# Altium PCB hand_fpc.PcbDoc (part 1 of 2)
Units mm, origin at the board's own origin, x right, y up, seen from the top; angles counter-clockwise.
Board outline 66 x 117.49 mm, 2 copper layers (Top Layer, Bottom Layer); 51 components, 53 nets, 256 pads, 358 vias.
Unrouted connection lines stored in the file: 50.
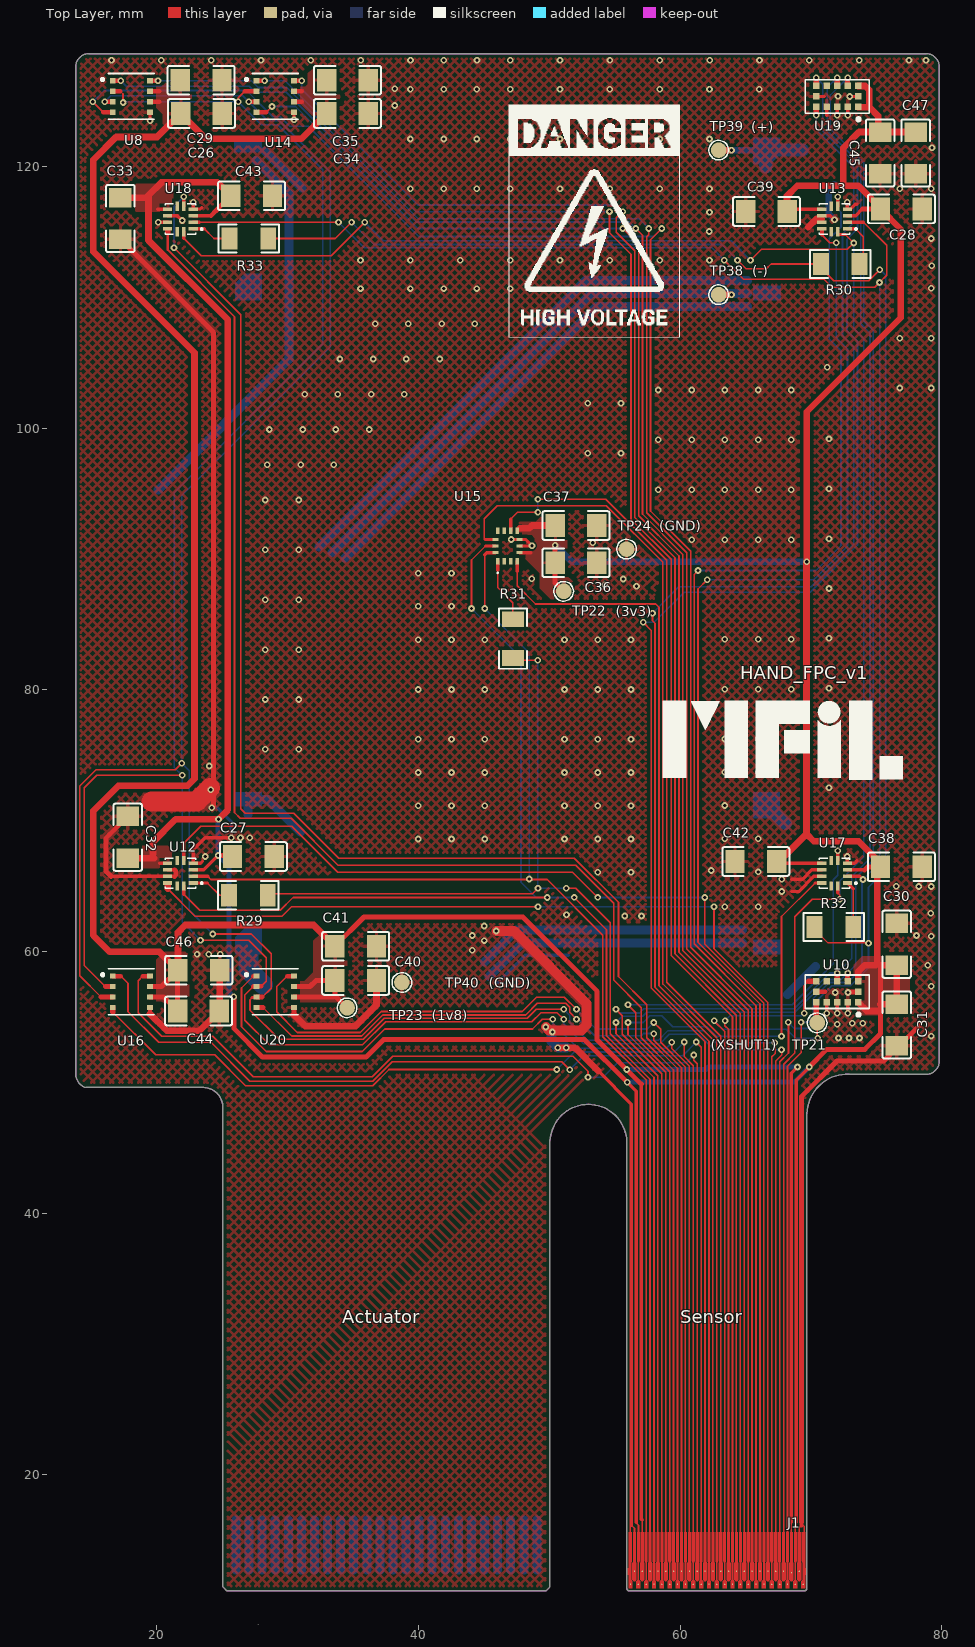
[diagram p0: Top Layer view]
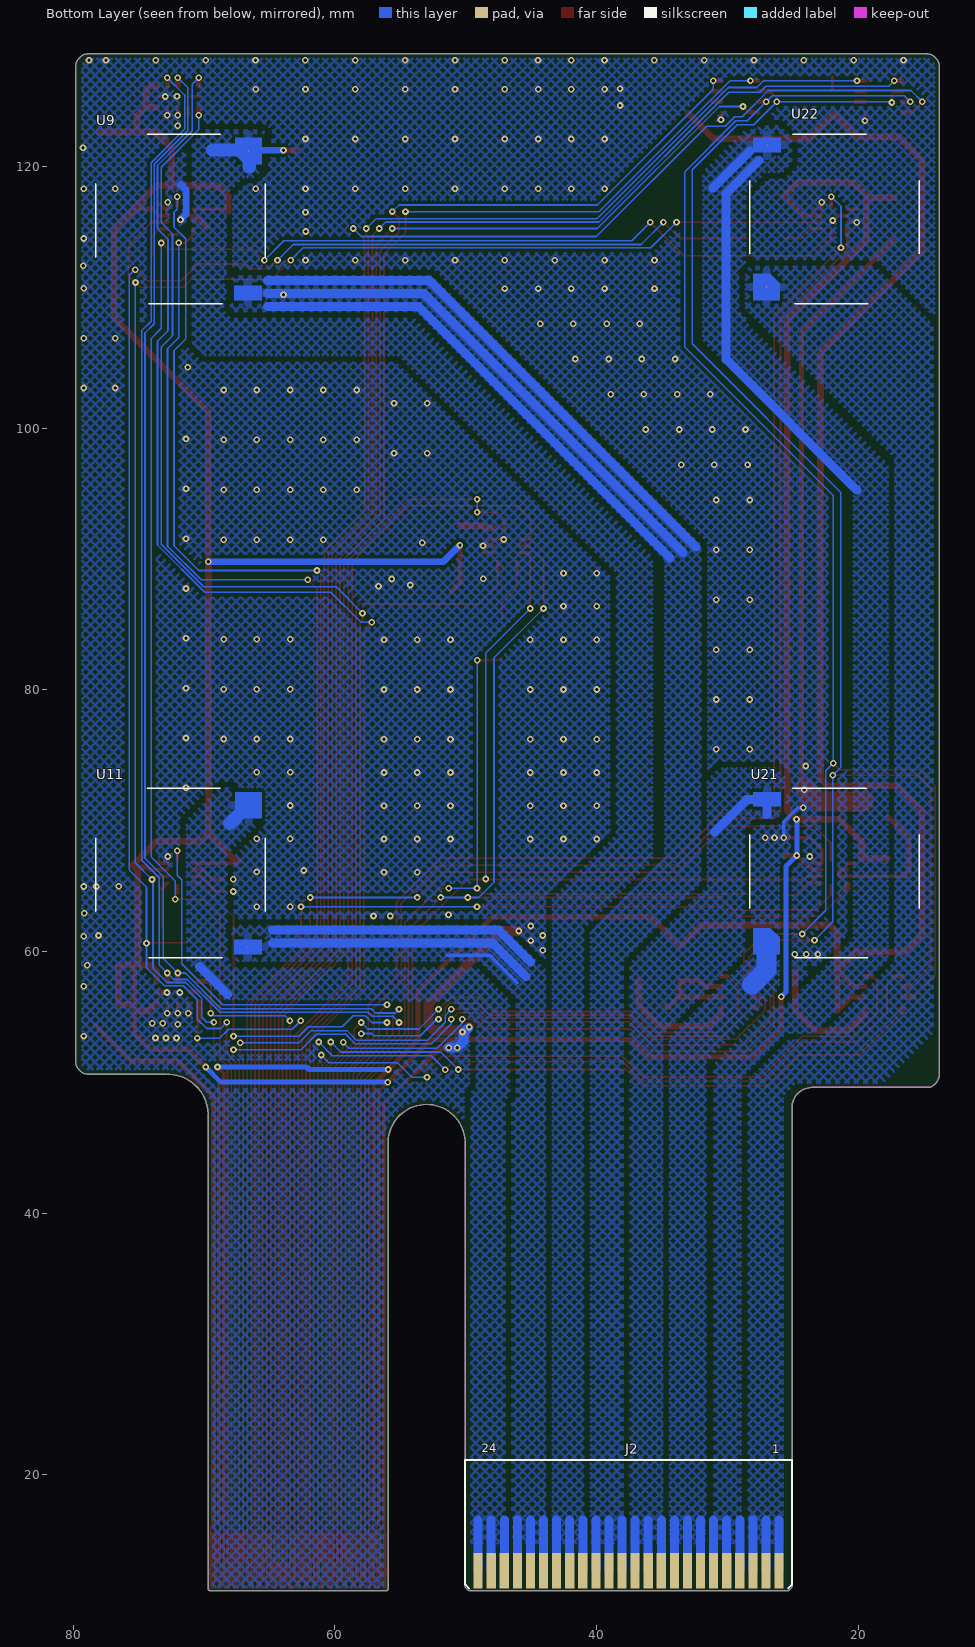
[diagram p1: Bottom Layer view, seen from below]
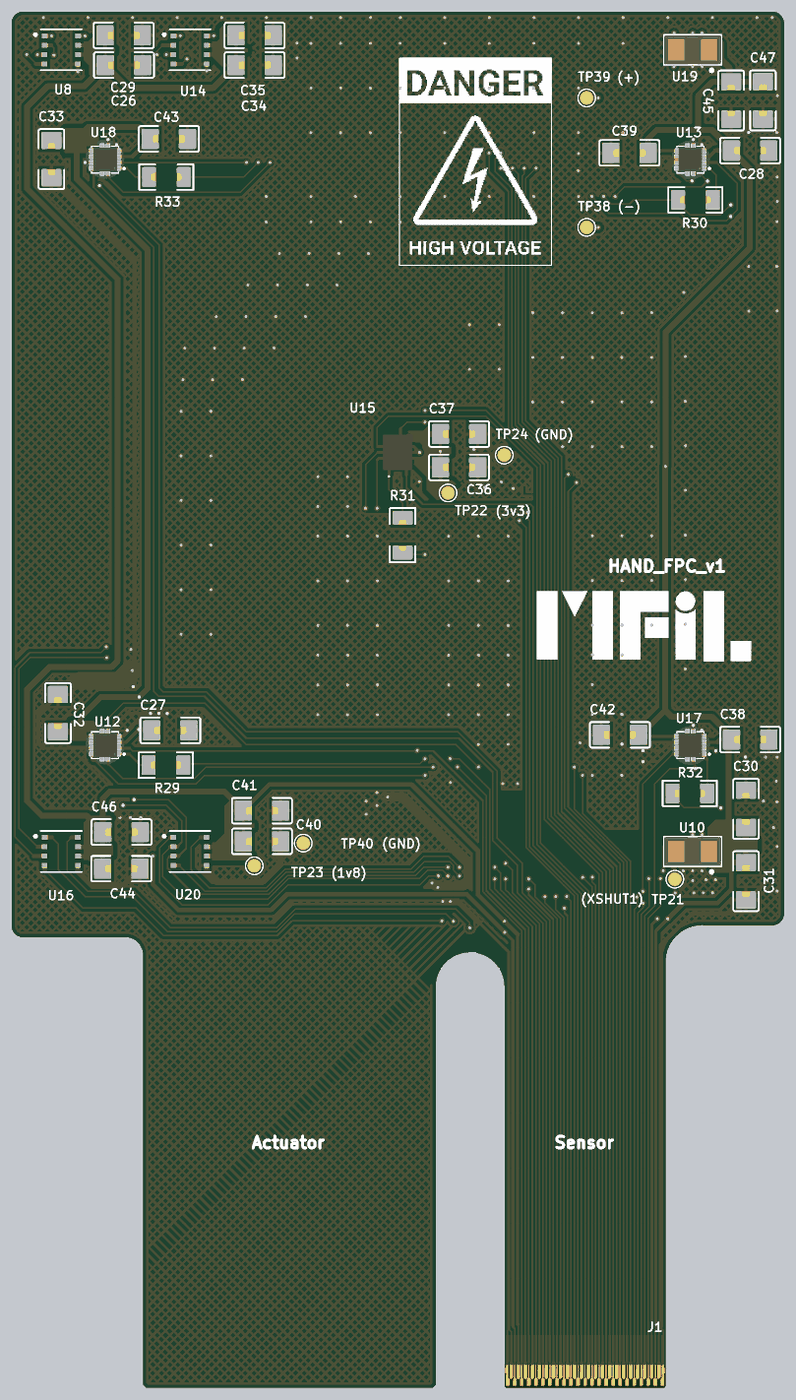
[diagram p3: 3D render of the assembled board from above, using the file's embedded part models]
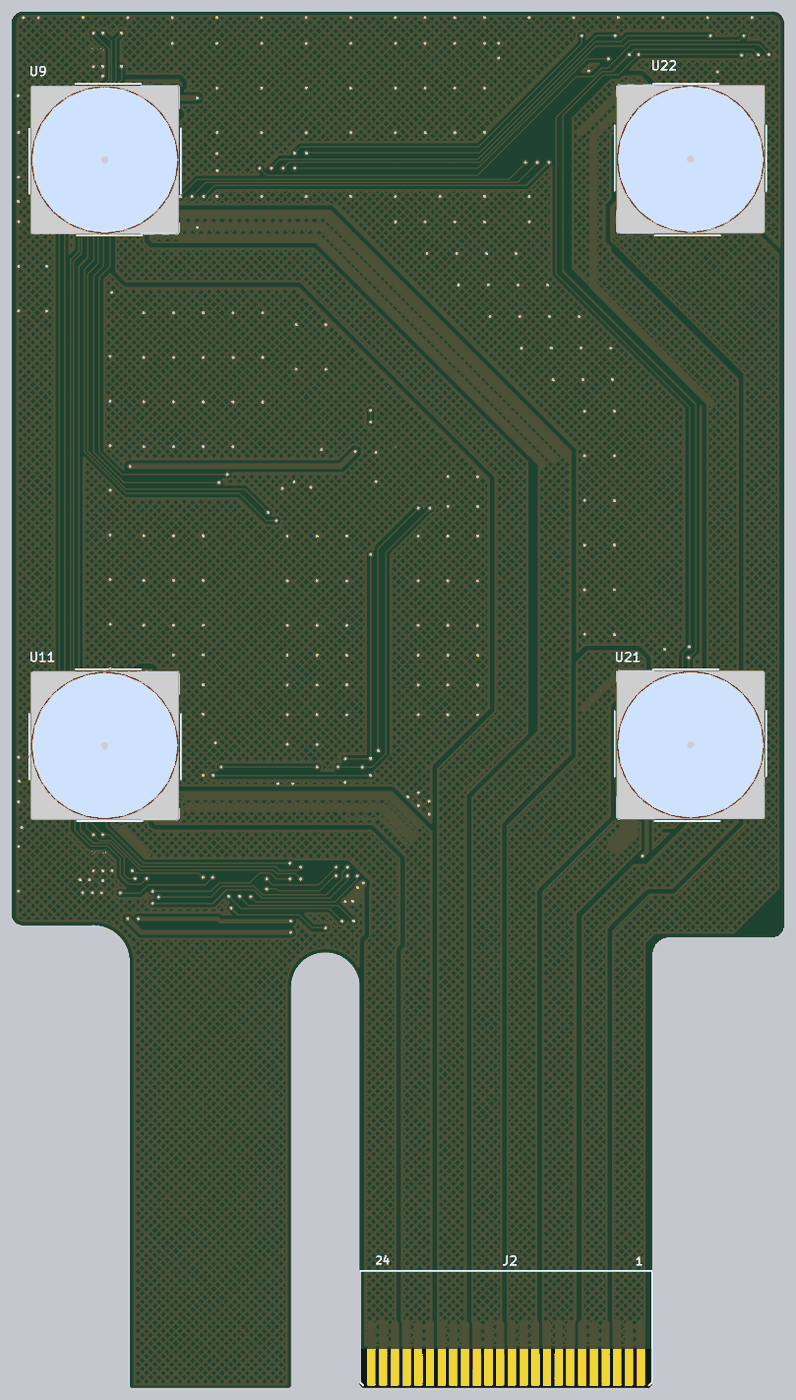
[diagram p4: 3D render of the assembled board from below, using the file's embedded part models]

## Layer stack, top to bottom
Top Solder: solder mask 0.0102, Solder Resist, Dk 3.5
Top Layer: signal copper 0.0356
Dielectric 1: dielectric 0.32, FR-4, Dk 4.8
Bottom Layer: signal copper 0.0356
Bottom Solder: solder mask 0.0102, Solder Resist, Dk 3.5

## Board outline
25.352,11.125 49.759,11.125 50.052,11.419 50.052,45.491 50.053,45.491 cw(c52.99,45.371) 55.927,45.465 55.928,45.465 55.928,11.326 ccw(c56.128,11.326) 56.128,11.126 56.128,11.125 69.488,11.125 69.488,11.126 ccw(c69.488,11.326) 69.688,11.326 69.688,47.6 cw(c72.813,47.497) 72.916,50.622 74.682,50.622 78.807,50.617 ccw(c78.807,51.617) 79.807,51.617 79.807,127.617 ccw(c78.807,127.617) 78.807,128.617 14.807,128.617 ccw(c14.807,127.617) 13.807,127.617 13.807,50.617 ccw(c14.865,50.622) 14.575,49.605 23.536,49.605 23.536,49.606 cw(c23.536,48.091) 25.052,48.091 25.052,48.081 25.052,11.426

## Design rules (kind name [scope] priority, off if disabled: settings)
Clearance room [WithinRoom('hand_fpc')] p1: gap=0.033 ignorepadtopadclearanceinfootprint=TRUE
Clearance [All] p2: gap=0.102 ignorepadtopadclearanceinfootprint=TRUE except(0.203: Track-Fill SMDPad-Fill Fill-Fill; 0.254: Arc-Fill Arc-Poly Arc-Region Track-Poly Track-Region SMDPad-Poly SMDPad-Region THPad-Fill THPad-Poly THPad-Region Fill-Poly Fill-Region Poly-Region Region-Region; 0.381: Poly-Poly)
PolygonConnect PolygonConnect_Motor [InComponentClass('Motor')] p1: thpad.connectstyle=Relief thpad.reliefconductorwidth=0.254 thpad.reliefentries=4 thpad.polygonreliefangle="90 Angle" thpad.airgapwidth=0.254 smdpad.connectstyle=Relief smdpad.reliefconductorwidth=0.635 smdpad.reliefentries=4 smdpad.polygonreliefangle="90 Angle" smdpad.airgapwidth=0.254 via.connectstyle=Direct via.reliefconductorwidth=0.254 via.reliefentries=4 via.polygonreliefangle="90 Angle" via.airgapwidth=0.254
PolygonConnect [All] p2: thpad.connectstyle=Relief thpad.reliefconductorwidth=0.254 thpad.reliefentries=4 thpad.polygonreliefangle="90 Angle" thpad.airgapwidth=0.254 smdpad.connectstyle=Relief smdpad.reliefconductorwidth=0.254 smdpad.reliefentries=4 smdpad.polygonreliefangle="90 Angle" smdpad.airgapwidth=0.254 via.connectstyle=Direct via.reliefconductorwidth=0.254 via.reliefentries=4 via.polygonreliefangle="90 Angle" via.airgapwidth=0.254
RoomDefinition hand_fpc [InComponentClass('hand_fpc')] p1: confinementstyle=ConfineIn formatcopy=TRUE lockcomponents=FALSE outline 55.448,16.383 70.282,16.383 70.282,10.922 55.448,10.922
RoutingVias [All] p1: holewidth=0.254 width=0.508 viastyle="Through Hole" minholewidth=0.254 minwidth=0.508 maxholewidth=0.254 maxwidth=0.508
SolderMaskExpansion [All] p1: expansion=0.064 istentingtop=FALSE
UnRoutedNet [All] p1: checkbadconnections=TRUE
Width [All] p1: maxlimit=2.54 minlimit=0.127 preferedwidth=0.254
29 further rules are at their usual default settings.

## Classes and differential pairs
component class Motor: U9 U11 U21 U22

## Components (designator, comment, footprint, x,y, rotation, side; value= is the part's Value field where it differs from the comment)
C26 "100nF" C1206_FPC 23.419,124.054 r0 top
C27 "100nF" C1206_FPC 27.381,67.259 r180 top
C28 "100nF" C1206_FPC 76.911,116.755 r180 top
C29 "100nF" C1206_FPC 23.393,126.594 r0 top
C30 "100nF" C1206_FPC 76.556,60.554 r270 top
C31 "4.7uF" C1206_FPC 76.556,54.381 r90 top
C32 "100nF" C1206_FPC 17.78,68.732 r270 top
C33 "100nF" C1206_FPC 17.221,116.027 r90 top
C34 "100nF" C1206_FPC 34.576,124.054 r0 top
C35 "100nF" C1206_FPC 34.576,126.594 r0 top
C36 "100nF" C1206_FPC 52.045,89.713 r180 top
C37 "100nF" C1206_FPC 52.045,92.558 r0 top
C38 "100nF" C1206_FPC 76.911,66.472 r180 top
C39 "100nF" C1206_FPC 66.599,116.561 r0 top
C40 "100nF" C1206_FPC 35.204,57.785 r0 top
C41 "100nF" C1206_FPC 35.204,60.401 r0 top
C42 "100nF" C1206_FPC 65.786,66.878 r0 top
C43 "100nF" C1206_FPC 27.254,117.754 r180 top
C44 "100nF" C1206_FPC 23.19,55.448 r0 top
C45 "100nF" C1206_FPC 75.286,121.031 r90 top
C46 "100nF" C1206_FPC 23.21,58.574 r0 top
C47 "4.7uF" C1206_FPC 78.003,121.039 r90 top
J1 "FH35C-45S-0.3SHW-GF" FH35C-45S-0.3SHW-GF-REVERSE 62.808,11.326 r180 top
J2 "522072460_GF" 522072460-GF-BACK 37.552,12.675 r0 top
R29 "22Ω" R1206_FPC 27,64.292 r180 top
R30 "22Ω" R1206_FPC 72.238,112.547 r0 top
R31 "22Ω" R1206_FPC 47.219,83.922 r90 top
R32 "22Ω" R1206_FPC 71.755,61.874 r0 top
R33 "22Ω" R1206_FPC 27.038,114.497 r180 top
TP21 "Test point" Test_Point_FPC 70.479,54.55 r0 top
TP22 "Test point" Test_Point_FPC 51.105,87.528 r180 top
TP23 "Test point" Test_Point_FPC 34.551,55.693 r0 top
TP24 "Test point" Test_Point_FPC 55.905,90.754 r180 top
TP38 "Test point" Test_Point_FPC 62.948,110.201 r270 top
TP39 "Test point" Test_Point_FPC 62.948,121.25 r270 top
TP40 "Test point" Test_Point_FPC 38.735,57.633 r270 top
U8 "CH-101" XDCR_CH-101 18.059,125.354 r0 top locked
U9 "B54102H1020A001" B54102H1020A001 71.808,115.989 r90 bottom locked
U10 "VL53L1CXV0FY/1" SENSOR_VL53L1CXV0FY/1 72.003,56.921 r270 top locked
U11 "B54102H1020A001" B54102H1020A001 71.808,65.989 r90 bottom locked
U12 "KX132-1211" LGA-12_L2.0-W2.0-P0.50-TL 21.808,65.989 r180 top locked
U13 "KX132-1211" LGA-12_L2.0-W2.0-P0.50-TL 71.808,115.989 r180 top locked
U14 "CH-101" XDCR_CH-101 29.059,125.354 r0 top locked
U15 "BMI323" BMI323 46.808,90.989 r90 top
U16 "CH-101" XDCR_CH-101 18.059,56.921 r0 top locked
U17 "KX132-1211" LGA-12_L2.0-W2.0-P0.50-TL 71.808,65.989 r180 top locked
U18 "KX132-1211" LGA-12_L2.0-W2.0-P0.50-TL 21.808,115.989 r180 top locked
U19 "VL53L1CXV0FY/1" SENSOR_VL53L1CXV0FY/1 72.003,125.354 r270 top locked
U20 "CH-101" XDCR_CH-101 29.059,56.921 r0 top
U21 "B54102H1020A001" B54102H1020A001 21.808,65.989 r270 bottom locked
U22 "B54102H1020A001" B54102H1020A001 21.808,115.989 r270 bottom locked

## Footprints (in the part's own frame and the unit in brackets; to place one, negate y for a bottom-side part, rotate by r counter-clockwise, add the part's x,y. Pads: shape width x height; smd on the part's side, far side on the other; paste and mask are expansions set on the pad)
522072460-GF-BACK [mm] "Golden Finger of 522072460, 24P, Back contact"
  rect 0.7x2.7 smd far side paste-2.54: 1(-11.5,0) 2(-10.5,0) 3(-9.5,0) 4(-8.5,0) 6(-6.5,0) 7(-5.5,0) 8(-4.5,0) 9(-3.5,0) 10(-2.5,0) 11(-1.5,0) 12(-0.5,0) 13(0.5,0) 14(1.5,0) 15(2.5,0) 16(3.5,0) 17(4.5,0) 18(5.5,0) 19(6.5,0) 20(7.5,0) 21(8.5,0) 22(9.5,0) 23(10.5,0) 24(11.5,0)
  rect 0.7x2.7 smd far side paste-2.54 mask+0.102: 5(-7.5,0)
B54102H1020A001 [mm] "The footprint of TDK PowerHap"
  round 0.025 smd: 1(5.2,-5.2) 2(-5.65,-5.15)
  Top Layer region: 4.2,-6.2 6.2,-6.2 6.2,-4.2 4.9,-4.2 4.2,-4.9
  Top Layer region: -6.2,-6.2 -5.1,-6.2 -5.1,-4.1 -6.2,-4.1
  silkscreen extent -6.48,-6.48 6.48,6.48, body extent -6.42,-6.37 6.36,6.37, height 1.43
BMI323 [mm]
  rect 0.475x0.25 smd: 1(-1.163,0.75) 2(-1.163,0.25) 3(-1.163,-0.25) 4(-1.163,-0.75) 8(1.163,-0.75) 9(1.163,-0.25) 10(1.163,0.25) 11(1.163,0.75)
  rect 0.25x0.475 smd: 5(-0.5,-0.913) 6(0,-0.913) 7(0.5,-0.913) 12(0.5,0.913) 13(0,0.913) 14(-0.5,0.913)
  silkscreen extent -2.1,0.7 -2,0.8, body extent -1.5,-1.25 1.5,1.25, height 0.84
C1206_FPC [mm]
  rect 1.485x1.728 smd paste-100 mask-0.025: 1(-1.593,0) 2(1.593,0)
  silkscreen extent -2.56,-1.09 2.56,1.09, body extent -1.6,-0.8 1.6,0.8, height 1.3
FH35C-45S-0.3SHW-GF-REVERSE [mm] "Note that owing to JLC's connector footprint is reverse order. This is reverse order too!"
  round 0.1 smd paste-100 mask-100: 1(-6.6,-0.3) 2(-6.3,-1.3) 3(-6,-0.3) 4(-5.7,-1.2) 5(-5.4,-0.3) 6(-5.1,-1.3) 7(-4.8,-0.3) 8(-4.5,-1.3) 9(-4.2,-0.3) 10(-3.9,-1.3) 11(-3.6,-0.3) 12(-3.3,-1.3) 13(-3,-0.3) 14(-2.7,-1.3) 15(-2.4,-0.3) 16(-2.1,-1.3) 17(-1.8,-0.3) 18(-1.5,-1.3) 19(-1.2,-0.3) 20(-0.9,-1.3) 21(-0.6,-0.3) 22(-0.3,-1.3) 23(0,-0.3) 24(0.3,-1.3) 25(0.6,-0.3) 26(0.9,-1.3) 27(1.2,-0.3) 28(1.5,-1.3) 29(1.8,-0.3) 30(2.1,-1.3) 31(2.4,-0.3) 32(2.7,-1.3) 33(3,-0.3) 34(3.3,-1.3) 35(3.6,-0.3) 36(3.9,-1.3) 37(4.2,-0.3) 38(4.5,-1.3) 39(4.8,-0.3) 40(5.1,-1.3) 41(5.4,-0.3) 42(5.7,-1.3) 43(6,-0.3) 44(6.3,-1.3) 45(6.6,-0.3)
  Top Layer region: -6.75,0 -6.45,0 -6.45,-0.55 -6.55,-0.65 -6.55,-1.9 -6.5,-2.05 -6.5,-4.3 -6.75,-4.3 -6.75,-1.55 -6.81,-1.55 -6.81,-1.05 -6.75,-1.05
  Top Layer region: -6.15,0 -5.85,0 -5.85,-0.55 -5.95,-0.65 -5.95,-0.65 -5.95,-1.9 -5.95,-1.9 -5.9,-2.05 -5.9,-4.3 -6.1,-4.3 -6.1,-2.05 -6.05,-1.9 -6.05,-0.65 -6.15,-0.55
  Top Layer region: -6.35,-0.55 -6.25,-0.55 -6.15,-0.65 -6.15,-1.9 -6.2,-2.05 -6.2,-4.3 -6.4,-4.3 -6.4,-2.05 -6.45,-1.9 -6.45,-0.65
  Top Layer region: -5.55,0 -5.25,0 -5.25,-0.55 -5.35,-0.65 -5.35,-0.65 -5.35,-1.9 -5.35,-1.9 -5.3,-2.05 -5.3,-4.3 -5.5,-4.3 -5.5,-2.05 -5.45,-1.9 -5.45,-0.65 -5.55,-0.55
  Top Layer region: -5.75,-0.55 -5.65,-0.55 -5.55,-0.65 -5.55,-1.9 -5.6,-2.05 -5.6,-4.3 -5.8,-4.3 -5.8,-2.05 -5.85,-1.9 -5.85,-0.65
  Top Layer region: -4.95,0 -4.65,0 -4.65,-0.55 -4.75,-0.65 -4.75,-0.65 -4.75,-1.9 -4.75,-1.9 -4.7,-2.05 -4.7,-4.3 -4.9,-4.3 -4.9,-2.05 -4.85,-1.9 -4.85,-0.65 -4.95,-0.55
  Top Layer region: -5.15,-0.55 -5.05,-0.55 -4.95,-0.65 -4.95,-1.9 -5,-2.05 -5,-4.3 -5.2,-4.3 -5.2,-2.05 -5.25,-1.9 -5.25,-0.65
  Top Layer region: -4.35,0 -4.05,0 -4.05,-0.55 -4.15,-0.65 -4.15,-0.65 -4.15,-1.9 -4.15,-1.9 -4.1,-2.05 -4.1,-4.3 -4.3,-4.3 -4.3,-2.05 -4.25,-1.9 -4.25,-0.65 -4.35,-0.55
  Top Layer region: -4.55,-0.55 -4.45,-0.55 -4.35,-0.65 -4.35,-1.9 -4.4,-2.05 -4.4,-4.3 -4.6,-4.3 -4.6,-2.05 -4.65,-1.9 -4.65,-0.65
  Top Layer region: -3.75,0 -3.45,0 -3.45,-0.55 -3.55,-0.65 -3.55,-0.65 -3.55,-1.9 -3.55,-1.9 -3.5,-2.05 -3.5,-4.3 -3.7,-4.3 -3.7,-2.05 -3.65,-1.9 -3.65,-0.65 -3.75,-0.55
  Top Layer region: -3.95,-0.55 -3.85,-0.55 -3.75,-0.65 -3.75,-1.9 -3.8,-2.05 -3.8,-4.3 -4,-4.3 -4,-2.05 -4.05,-1.9 -4.05,-0.65
  Top Layer region: -3.15,0 -2.85,0 -2.85,-0.55 -2.95,-0.65 -2.95,-0.65 -2.95,-1.9 -2.95,-1.9 -2.9,-2.05 -2.9,-4.3 -3.1,-4.3 -3.1,-2.05 -3.05,-1.9 -3.05,-0.65 -3.15,-0.55
  Top Layer region: -3.35,-0.55 -3.25,-0.55 -3.15,-0.65 -3.15,-1.9 -3.2,-2.05 -3.2,-4.3 -3.4,-4.3 -3.4,-2.05 -3.45,-1.9 -3.45,-0.65
  Top Layer region: -2.55,0 -2.25,0 -2.25,-0.55 -2.35,-0.65 -2.35,-0.65 -2.35,-1.9 -2.35,-1.9 -2.3,-2.05 -2.3,-4.3 -2.5,-4.3 -2.5,-2.05 -2.45,-1.9 -2.45,-0.65 -2.55,-0.55
  Top Layer region: -2.75,-0.55 -2.65,-0.55 -2.55,-0.65 -2.55,-1.9 -2.6,-2.05 -2.6,-4.3 -2.8,-4.3 -2.8,-2.05 -2.85,-1.9 -2.85,-0.65
  Top Layer region: -1.95,0 -1.65,0 -1.65,-0.55 -1.75,-0.65 -1.75,-0.65 -1.75,-1.9 -1.75,-1.9 -1.7,-2.05 -1.7,-4.3 -1.9,-4.3 -1.9,-2.05 -1.85,-1.9 -1.85,-0.65 -1.95,-0.55
  Top Layer region: -2.15,-0.55 -2.05,-0.55 -1.95,-0.65 -1.95,-1.9 -2,-2.05 -2,-4.3 -2.2,-4.3 -2.2,-2.05 -2.25,-1.9 -2.25,-0.65
  Top Layer region: -1.35,0 -1.05,0 -1.05,-0.55 -1.15,-0.65 -1.15,-0.65 -1.15,-1.9 -1.15,-1.9 -1.1,-2.05 -1.1,-4.3 -1.3,-4.3 -1.3,-2.05 -1.25,-1.9 -1.25,-0.65 -1.35,-0.55
  Top Layer region: -1.55,-0.55 -1.45,-0.55 -1.35,-0.65 -1.35,-1.9 -1.4,-2.05 -1.4,-4.3 -1.6,-4.3 -1.6,-2.05 -1.65,-1.9 -1.65,-0.65
  Top Layer region: -0.75,0 -0.45,0 -0.45,-0.55 -0.55,-0.65 -0.55,-0.65 -0.55,-1.9 -0.55,-1.9 -0.5,-2.05 -0.5,-4.3 -0.7,-4.3 -0.7,-2.05 -0.65,-1.9 -0.65,-0.65 -0.75,-0.55
  Top Layer region: -0.95,-0.55 -0.85,-0.55 -0.75,-0.65 -0.75,-1.9 -0.8,-2.05 -0.8,-4.3 -1,-4.3 -1,-2.05 -1.05,-1.9 -1.05,-0.65
  Top Layer region: 5.85,0 6.15,0 6.15,-0.55 6.05,-0.65 6.05,-0.65 6.05,-1.9 6.05,-1.9 6.1,-2.05 6.1,-4.3 5.9,-4.3 5.9,-2.05 5.95,-1.9 5.95,-0.65 5.85,-0.55
  Top Layer region: 6.25,-0.55 6.35,-0.55 6.45,-0.65 6.45,-1.9 6.4,-2.05 6.4,-4.3 6.2,-4.3 6.2,-2.05 6.15,-1.9 6.15,-0.65
  Top Layer region: 5.25,0 5.55,0 5.55,-0.55 5.45,-0.65 5.45,-0.65 5.45,-1.9 5.45,-1.9 5.5,-2.05 5.5,-4.3 5.3,-4.3 5.3,-2.05 5.35,-1.9 5.35,-0.65 5.25,-0.55
  Top Layer region: 5.65,-0.55 5.75,-0.55 5.85,-0.65 5.85,-1.9 5.8,-2.05 5.8,-4.3 5.6,-4.3 5.6,-2.05 5.55,-1.9 5.55,-0.65
  Top Layer region: 4.65,0 4.95,0 4.95,-0.55 4.85,-0.65 4.85,-0.65 4.85,-1.9 4.85,-1.9 4.9,-2.05 4.9,-4.3 4.7,-4.3 4.7,-2.05 4.75,-1.9 4.75,-0.65 4.65,-0.55
  Top Layer region: 5.05,-0.55 5.15,-0.55 5.25,-0.65 5.25,-1.9 5.2,-2.05 5.2,-4.3 5,-4.3 5,-2.05 4.95,-1.9 4.95,-0.65
  Top Layer region: 4.05,0 4.35,0 4.35,-0.55 4.25,-0.65 4.25,-0.65 4.25,-1.9 4.25,-1.9 4.3,-2.05 4.3,-4.3 4.1,-4.3 4.1,-2.05 4.15,-1.9 4.15,-0.65 4.05,-0.55
  Top Layer region: 4.45,-0.55 4.55,-0.55 4.65,-0.65 4.65,-1.9 4.6,-2.05 4.6,-4.3 4.4,-4.3 4.4,-2.05 4.35,-1.9 4.35,-0.65
  Top Layer region: 3.45,0 3.75,0 3.75,-0.55 3.65,-0.65 3.65,-0.65 3.65,-1.9 3.65,-1.9 3.7,-2.05 3.7,-4.3 3.5,-4.3 3.5,-2.05 3.55,-1.9 3.55,-0.65 3.45,-0.55
  Top Layer region: 3.85,-0.55 3.95,-0.55 4.05,-0.65 4.05,-1.9 4,-2.05 4,-4.3 3.8,-4.3 3.8,-2.05 3.75,-1.9 3.75,-0.65
  Top Layer region: 2.85,0 3.15,0 3.15,-0.55 3.05,-0.65 3.05,-0.65 3.05,-1.9 3.05,-1.9 3.1,-2.05 3.1,-4.3 2.9,-4.3 2.9,-2.05 2.95,-1.9 2.95,-0.65 2.85,-0.55
  Top Layer region: 3.25,-0.55 3.35,-0.55 3.45,-0.65 3.45,-1.9 3.4,-2.05 3.4,-4.3 3.2,-4.3 3.2,-2.05 3.15,-1.9 3.15,-0.65
  Top Layer region: 2.25,0 2.55,0 2.55,-0.55 2.45,-0.65 2.45,-0.65 2.45,-1.9 2.45,-1.9 2.5,-2.05 2.5,-4.3 2.3,-4.3 2.3,-2.05 2.35,-1.9 2.35,-0.65 2.25,-0.55
  Top Layer region: 2.65,-0.55 2.75,-0.55 2.85,-0.65 2.85,-1.9 2.8,-2.05 2.8,-4.3 2.6,-4.3 2.6,-2.05 2.55,-1.9 2.55,-0.65
  Top Layer region: 1.65,0 1.95,0 1.95,-0.55 1.85,-0.65 1.85,-0.65 1.85,-1.9 1.85,-1.9 1.9,-2.05 1.9,-4.3 1.7,-4.3 1.7,-2.05 1.75,-1.9 1.75,-0.65 1.65,-0.55
  Top Layer region: 2.05,-0.55 2.15,-0.55 2.25,-0.65 2.25,-1.9 2.2,-2.05 2.2,-4.3 2,-4.3 2,-2.05 1.95,-1.9 1.95,-0.65
  Top Layer region: 1.05,0 1.35,0 1.35,-0.55 1.25,-0.65 1.25,-0.65 1.25,-1.9 1.25,-1.9 1.3,-2.05 1.3,-4.3 1.1,-4.3 1.1,-2.05 1.15,-1.9 1.15,-0.65 1.05,-0.55
  Top Layer region: 1.45,-0.55 1.55,-0.55 1.65,-0.65 1.65,-1.9 1.6,-2.05 1.6,-4.3 1.4,-4.3 1.4,-2.05 1.35,-1.9 1.35,-0.65
  Top Layer region: -0.15,0 0.15,0 0.15,-0.55 0.05,-0.65 0.05,-0.65 0.05,-1.9 0.05,-1.9 0.1,-2.05 0.1,-4.3 -0.1,-4.3 -0.1,-2.05 -0.05,-1.9 -0.05,-0.65 -0.15,-0.55
  Top Layer region: 0.25,-0.55 0.35,-0.55 0.45,-0.65 0.45,-1.9 0.4,-2.05 0.4,-4.3 0.2,-4.3 0.2,-2.05 0.15,-1.9 0.15,-0.65
  Top Layer region: 0.45,0 0.75,0 0.75,-0.55 0.65,-0.65 0.65,-0.65 0.65,-1.9 0.65,-1.9 0.7,-2.05 0.7,-4.3 0.5,-4.3 0.5,-2.05 0.55,-1.9 0.55,-0.65 0.45,-0.55
  Top Layer region: 0.85,-0.55 0.95,-0.55 1.05,-0.65 1.05,-1.9 1,-2.05 1,-4.3 0.8,-4.3 0.8,-2.05 0.75,-1.9 0.75,-0.65
  Top Layer region: -0.35,-0.55 -0.25,-0.55 -0.15,-0.65 -0.15,-1.9 -0.2,-2.05 -0.2,-4.3 -0.4,-4.3 -0.4,-2.05 -0.45,-1.9 -0.45,-0.65
  Top Layer region: 6.75,0 6.45,0 6.45,-0.55 6.55,-0.65 6.55,-1.9 6.5,-2.05 6.5,-4.3 6.75,-4.3 6.75,-1.55 6.81,-1.55 6.81,-1.05 6.75,-1.05
LGA-12_L2.0-W2.0-P0.50-TL [mm]
  rect 0.7x0.28 smd: 1(-0.975,0.75) 2(-0.975,0.25) 3(-0.975,-0.25) 4(-0.975,-0.75) 7(0.975,-0.75) 8(0.975,-0.25) 9(0.975,0.25) 10(0.975,0.75)
  rect 0.28x0.7 smd: 5(-0.25,-0.975) 6(0.25,-0.975) 11(0.25,0.975) 12(-0.25,0.975)
  silkscreen extent -1.7,-1.15 1.16,1.15, body extent -1,-1 1,1, height 0.99
R1206_FPC [mm]
  rect 1.208x1.701 smd paste-100 mask-0.025: 1(-1.479,0) 2(1.479,0)
  silkscreen extent -2.31,-1.08 2.31,1.08, body extent -1.6,-0.8 1.6,0.8, height 0.56
SENSOR_VL53L1CXV0FY/1 [mm]
  rect 0.5x0.5 smd: 1(0.8,1.6) 2(0.8,0.8) 3(0.8,0) 4(0.8,-0.8) 5(0.8,-1.6) 6(0,-1.6) 7(-0.8,-1.6) 8(-0.8,-0.8) 9(-0.8,0) 10(-0.8,0.8) 11(-0.8,1.6) 12(0,1.6)
  silkscreen extent -1.28,-2.45 1.87,2.45, body extent -1.25,-2.45 1.25,2.45, height 1.6
Test_Point_FPC [mm] "Test Point"
  round 1.2 smd paste-0.6 mask-0.025: TP?(0,0)
  silkscreen extent -0.75,-0.75 0.75,0.75, body extent -0.6,-0.6 0.6,0.6, height 0.03
XDCR_CH-101 [mm]
  rect 0.45x0.4 smd mask+0: 1(-1.425,1.2) 2(-1.425,0.4) 3(-1.425,-0.4) 4(-1.425,-1.2) 5(1.425,-1.2) 6(1.425,-0.4) 7(1.425,0.4) 8(1.425,1.2)
  silkscreen extent -2.3,-1.75 1.75,1.75, body extent -1.75,-1.75 1.75,1.75, height 1.26

## Part data
C26 C27 C28 C29 C30 C32 C33 C34 C35 C36 C37 C38 C39 C40 C41 C42 C43 C44 C45 C46: library part CL31B104KBCNNNC, "MLCC, 100 nF, 50 V, ± 10%, X7R, 1206", JLCPCB Part Class=基础库, LCSC Part Name="100nF ±10% 50V", Manufacturer=SAMSUNG(三星), Temperature Coefficient=X7R, Tolerance=±10%, Voltage Rated=50V, Add into BOM=yes, Convert to PCB=yes, Datasheet=https://atta.szlcsc.com/upload/public/pdf/source/20160218/1457707763339.pdf, Device=CL31B104KBCNNNC, Manufacturer Part=CL31B104KBCNNNC, Name=100nF, Supplier=LCSC, Supplier Footprint=1206, Supplier Part=C24497, Symbol=CL31B104KBCNNNC
C31 C47: library part 1206B475K500NT, "MLCC, 4.7 uF, 50 V, ± 10%, X7R, 1206", JLCPCB Part Class=基础库, LCSC Part Name="4.7uF ±10% 50V", Manufacturer=FH(风华), Temperature Coefficient=X7R, Tolerance=±10%, Voltage Rated=50V, Add into BOM=yes, Convert to PCB=yes, Datasheet=https://atta.szlcsc.com/upload/public/pdf/source/20200305/C486355_26A10D38EF8C2A5C37091D0039909270.pdf, Device=1206B475K500NT, Manufacturer Part=1206B475K500NT, Name=4.7uF, Supplier=LCSC, Supplier Footprint=1206, Supplier Part=C29823, Symbol=1206B475K500NT
J1: "Golden Finger Footprint of FH35C-45S-0.3SHW, 45 Pins, 0.3mm cross, up contact"
J2: "FFC 1mm 24P Golden Finger", Mfr_Name="Molex Connector Corporation", RefDes=RefDes, Type=Type
R29 R30 R31 R32 R33: library part 1206W4F220JT5E, "Resistor, Res Thick Film 1206 22 Ohm 1% 0.25W(1/4W) ±100ppm/°C Pad SMD T/R 200 V", JLCPCB Part Class=基础库, LCSC Part Name="22Ω ±1% 250mW 厚膜电阻", Manufacturer=UNI-ROYAL(厚声), Operating Temperature Range=-55℃~+155℃, Overload Voltage (Max)=200V, Power(Watts)=250mW, Temperature Coefficient=±100ppm/℃, Tolerance=±1%, Add into BOM=yes, Convert to PCB=yes, Datasheet=https://atta.szlcsc.com/upload/public/pdf/source/20200306/C422600_1E6D84923E4A46A82E41ADD87F860B5C.pdf, Device=1206W4F220JT5E, Manufacturer Part=1206W4F220JT5E, Name=22Ω, Supplier=LCSC, Supplier Footprint=1206, Supplier Part=C17958, Symbol=1206W4F220JT5E, Type=厚膜电阻
TP21 TP22 TP23 TP24 TP38 TP39 TP40: library part Test_Point
U8 U14 U16 U20: "Ultrasonic MEMS based Time-of-Flight _ToF_ Range Sensor", Package="SOT-23-6 TDK InvenSense", Availability=Unavailable, MF="TDK InvenSense", MP=CH-101, Price=None, SnapEDA_Link=https://www.snapeda.com/parts/CH-101/TDK%20InvenSense/view-part/4477814/?ref=snap
U9 U11 U21 U22: "TDK PowerHap™, Piezo Haptic Actuator Metal Sealed 15N 65um 32KHz Bulk", Manufacturer="TDK EPCOS", Max Operating Temperature=85°C, Min Operating Temperature=-40°C, Voltage Rating=120V, Category="Motors and Drives", Manufacturer Part Number=B54102H1020A001, Name=B54102H1020A001, Series=PowerHap™, Termination=Solder
U10 U19: "Optical Sensor 157.480 (4m) I2C Output", Package="LGA-12 STMicroelectronics", Availability="In Stock", Check_prices=https://www.snapeda.com/parts/VL53L1CXV0FY/1/STMicroelectronics/view-part/?ref=eda, MF=STMicroelectronics, MP=VL53L1CXV0FY/1, Price=None, Purchase-URL=https://pricing.snapeda.com/search/part/VL53L1CXV0FY/1/?ref=eda, SnapEDA_Link=https://www.snapeda.com/parts/VL53L1CXV0FY/1/STMicroelectronics/view-part/?ref=snap
U12 U13 U17 U18: "KX132 Series 3.6 V ±2g/4g/8g/16g SMT 3 Axis Digital Accelerometer- LGA-12", JLCPCB Part Class="Extended Part", Manufacturer=ROHM(罗姆), Add into BOM=yes, Convert to PCB=yes, Datasheet=https://atta.szlcsc.com/upload/public/pdf/source/20210603/40873EBC715D8EC3E8B8B154E7D59925.pdf, Device=KX132-1211, LCSC Part Name=KX132-1211, Manufacturer Part=KX132-1211, Name=KX132-1211, Supplier=LCSC, Supplier Footprint=LGA-12(2x2), Supplier Part=C2157931, Symbol=KX132-1211
U15: "BOSCH IMU IC", Manufacturer_Name=BOSCH, Mouser Part Number=262-BMI323, Arrow Part Number=BMI323, Arrow Price/Stock=https://www.arrow.com/en/products/bmi323/bosch?region=nac, Datasheet Link=https://www.bosch-sensortec.com/media/boschsensortec/downloads/datasheets/bst-bmi323-ds000.pdf, HEIGHT=0.87mm, Manufacturer_Part_Number=BMI323, Mouser Price/Stock=https://www.mouser.co.uk/ProductDetail/Bosch-Sensortec/BMI323?qs=By6Nw2ByBD3%2FE1v0UqNQPQ%3D%3D

## Via types
v1: diameter 0.508, hole 0.254, Top Layer to Bottom Layer, tented both sides, 358 vias

## Nets (pads, with @x,y where several pads share a name; then routed paths per layer and width w, separated by ;. In a path a pad name is that pad's centre, name@x,y a point inside that pad or via, vN(x,y) a via of type N, cw(c..) or ccw(c..) an arc to the next point about the centre after c; other vN are vias at no path point)
+1.8V: C26.1 C29.1 C34.1 C35.1 C40.1 C41.1 C44.1 C46.1 J1.4 J1.42 TP23.TP? U8.6 U8.7 U14.6 U14.7 U16.6 U16.7 U20.6 U20.7 | length 252
  Top Layer w0.127: 20.192,125.754 20.193,125.755 20.32,125.755 ; 57.095,15.613 57.095,16.55 ; 68.504,12.878 68.504,16.383
  Top Layer w0.254: C29.1@21.969,125.899 21.969,126.804 C29.1@21.978,126.813 ; 57.04,49.857 57.04,16.605 57.095,16.55 ; 68.504,16.383 68.504,50.701 v1(68.972,51.17)
  Top Layer w0.35: U8.6@19.484,124.954 20.192,124.954 ; U8.7@19.484,125.754 20.192,125.754 ; U14.6@30.484,124.954 31.09,124.954 ; U14.7@30.484,125.754 31.09,125.754
  Top Layer w0.381: U16.6@19.484,56.521 20.525,56.521 C44.1@21.598,55.448 21.598,58.555 20.364,57.321 U16.7@19.484,57.321 ; U20.6@30.484,56.521 33.501,56.521 33.612,56.632 ; U20.7@30.484,57.321 31.718,57.321 32.182,57.785 C40.1@33.612,57.785 33.612,56.632 ; C41.1@33.612,60.401 35.843,62.632 47.985,62.632 53.666,56.951 53.666,53.231 57.04,49.857 ; TP23.TP?@34.743,55.885 TP23.TP?@34.551,55.693 33.612,56.632
  Top Layer w0.508: C46.1@21.598,58.555 C46.1@21.617,58.574 ; C34.1@32.983,124.054 31.04,122.111 23.769,122.111 C26.1@21.826,124.054 20.023,122.25 16.891,122.25 15.144,120.503 15.144,113.507 22.885,105.766 22.885,73.203 22.356,72.673 17.073,72.673 15.144,70.744 15.144,61.233 16.403,59.974 20.218,59.974 C46.1@21.617,58.574 ; C41.1@33.612,60.401 31.99,62.023 22.177,62.023 21.617,61.463 C46.1@21.617,58.574
  Bottom Layer w0.381: v1(55.931,50.978) 61.973,50.978 62.165,51.17 v1(68.972,51.17)
+3.3V: C27.2 C28.2 C30.2 C31.2 C32.2 C33.2 C36.2 C37.1 C38.2 C39.2 C42.2 C43.2 C45.2 C47.2 J1.3 J1.43 TP22.TP? U10.1 U10.11 U12.3 U12.7 U13.3 U13.7 U15.5 U15.8 U17.3 U17.7 U18.3 U18.7 U19.1 U19.11 | length 365.8
  Top Layer w0.127: 56.642,16.383 56.642,16.332 56.82,16.154 56.82,15.856 56.82,15.265 ; 56.806,11.765 56.82,11.779 ; 56.82,15.842 56.82,15.265 ; 56.871,15.215 56.82,15.265 ; 68.792,15.265 68.792,16.062 68.869,16.139 68.869,16.383
  Top Layer w0.254: 20.083,116.739 U18.7@20.833,116.739 ; 20.206,66.739 U12.7@20.833,66.739 ; U12.3@22.783,66.239 23.585,66.239 v1@24.678,67.333 ; U18.3@22.783,116.239 24.146,116.239 ; U15.5@47.721,90.489 48.601,90.489 ; v1(55.956,50.013) 55.956,50.004 56.642,49.318 56.642,16.383 ; C42.2@67.515,66.742 U17.7@70.83,66.742 ; C39.2@68.37,116.739 U13.7@70.833,116.739 ; 68.869,16.383 68.869,50.167 v1(69.872,51.17) ; U17.3@72.783,66.239 74.103,66.239 ; U13.3@72.783,116.239 73.415,116.239 73.93,116.755
  Top Layer w0.35: 24.146,116.239 24.56,116.653 C43.2@25.662,117.754
  Top Layer w0.381: v1(24.688,67.333) 25.537,67.333 C27.2@25.611,67.259 ; v1(25.889,56.532) 25.889,54.122 28.074,51.938 36.01,51.938 37.346,53.275 52.685,53.275 v1@55.956,50.004 ; C36.2@50.444,89.713 v1(50.444,91.059) ; C36.2@50.452,89.713 50.452,88.181 TP22.TP?@51.105,87.528 ; C42.2@67.379,66.878 C42.2@67.515,66.742 ; C39.2@68.191,116.561 C39.2@68.37,116.739 ; v1(69.872,51.17) 71.22,52.518 74.117,52.518 75.319,53.72 75.319,55.448 75.319,55.974 75.319,58.953 ; 73.93,116.755 C28.2@75.319,116.755 ; 74.103,66.239 74.336,66.472 C38.2@75.319,66.472
  Top Layer w0.508: C33.2@17.221,117.62 19.185,117.62 19.37,117.804 ; C32.2@17.78,67.14 19.794,67.14 ; 19.71,67.462 19.71,68.377 21.438,70.104 v1(24.714,70.104) 25.437,70.826 25.437,108.283 19.37,114.35 19.37,117.804 ; C43.2@25.662,117.754 24.629,118.787 20.352,118.787 19.37,117.804 ; 47.73,92.346 48.48,92.346 48.692,92.558 C37.1@50.452,92.558 ; C42.2@67.379,66.878 67.563,66.878 69.662,68.977 ; C39.2@68.176,116.576 68.176,117.756 68.952,118.533 72.466,118.533 ; v1@69.662,89.798 69.662,68.977 ; v1(69.679,89.798) 69.679,101.251 76.867,108.439 76.867,115.206 C28.2@75.319,116.755 75.319,116.839 73.625,118.533 72.466,118.533 ; U10.1@73.603,56.121 74.276,55.448 75.319,55.448 ; U10.11@73.603,57.721 73.603,58.454 74.102,58.953 74.955,58.953 75.057,59.055 75.057,66.172 75.471,66.586 73.632,68.425 70.214,68.425 69.662,68.977 ; U19.11@73.603,126.154 74.15,126.154 74.453,125.851 74.453,124.536 ; U19.1@73.622,124.536 74.453,124.536 ; 75.319,55.974 C31.2@76.556,55.974 C30.2@76.556,58.961 75.319,58.961 75.319,58.953 ; C47.2@78.003,122.631 C45.2@75.133,122.631 ; 72.466,118.533 72.466,121.412 73.685,122.631 C45.2@75.133,122.631 ; 74.453,124.536 75.133,123.856 C45.2@75.133,122.631
  Bottom Layer w0.381: v1(24.714,70.104) 24.688,70.078 v1(24.688,67.333) 25.527,66.494 25.527,56.894 v1(25.889,56.532) ; v1(55.956,50.013) 68.715,50.013 v1(69.872,51.17)
  Bottom Layer w0.508: v1(50.444,91.059) 51.705,89.798 v1(69.679,89.798)
FPC_BMI323_CS: J1.23 U15.12 | length 94.3
  Top Layer w0.127: 45.107,91.489 45.032,91.563 45.032,93.073 46.031,94.072 54.358,94.072 58.686,89.744 58.686,57.514 62.806,53.395 62.806,15.942 62.806,15.398
  Top Layer w0.254: 45.107,91.489 45.466,91.489 U15.12@45.895,91.489
FPC_BMI323_INT1: J1.24 U15.4 | length 85.9
  Top Layer w0.127: 47.553,89.041 47.558,89.045 47.558,87.949 48.943,86.563 58.138,86.563 58.382,86.319 58.382,57.388 62.501,53.269 62.501,15.512
  Top Layer w0.254: 47.558,89.045 U15.4@47.558,89.826
FPC_BMI323_INT2: J1.22 U15.9 | length 92.3
  Top Layer w0.127: 47.058,93.055 47.573,93.571 v1(49.132,93.571) ; v1(49.132,94.571) 54.316,94.571 58.982,89.905 58.982,57.636 63.101,53.517 63.101,15.942 63.101,15.512
  Top Layer w0.254: U15.9@47.058,92.152 47.058,92.774 ; 47.058,92.582 47.058,93.055
  Bottom Layer w0.127: v1(49.132,93.571) v1(49.132,94.571)
FPC_BOARD_SCL: J1.38 U10.10 U19.10 | length 132.1
  Top Layer w0.127: v1(55.099,54.575) 55.099,53.702 58.301,50.5 58.301,15.942 58.301,15.512
  Top Layer w0.4: U10.10@72.803,57.721 v1(72.803,58.352) ; U19.10@72.803,126.154 v1(72.803,126.785)
  Bottom Layer w0.127: v1@55.023,54.575 v1@55.061,54.614 ; v1(55.099,54.575) 55.576,55.053 57.151,55.053 57.442,55.344 68.768,55.344 71.281,57.857 72.309,57.857 v1(72.803,58.352) 73.421,58.97 73.421,65.636 74.753,66.968 74.753,107.467 74.048,108.172 74.048,120.285 71.489,122.844 71.489,125.471 v1(72.803,126.785)
FPC_BOARD_SDA: J1.37 U10.9 U19.9 | length 132.4
  Top Layer w0.127: v1(55.099,55.575) 55.582,55.093 55.582,53.668 58.606,50.644 58.606,15.942 58.606,15.398
  Top Layer w0.4: U10.9@72.003,57.721 v1(72.003,58.352) ; U19.9@72.003,126.154 v1(72.003,126.785)
  Bottom Layer w0.127: v1@55.023,55.575 v1@55.061,55.537 ; v1(55.099,55.575) 55.372,55.303 56.893,55.303 57.215,55.625 68.721,55.625 71.449,58.352 v1(72.003,58.352) 73.132,59.481 73.132,65.75 74.519,67.137 74.519,107.269 73.819,107.969 73.819,120.174 71.254,122.739 71.254,126.035 v1(72.003,126.785)
FPC_BOS1901_1_OUT+: J2.16 J2.17 J2.18 TP39.TP? U9.1 | length 19.6
  Top Layer w0.508: TP39.TP?@62.948,121.25 v1(63.929,121.25)
  Bottom Layer w0.508: v1(63.929,121.25) 66.546,121.25 U9.1@66.608,121.189
  Bottom Layer w0.686: J2.16@41.052,12.706 41.052,16.542 ; J2.17@42.052,12.706 42.052,16.542 ; J2.18@43.052,12.706 43.052,16.542
  Bottom Layer w1: 66.546,119.953 66.546,121.25 ; 66.546,121.588 66.546,121.25 ; 69.346,121.25 66.546,121.25
FPC_BOS1901_1_OUT−: J2.13 J2.14 J2.15 TP38.TP? U9.2 | length 132.4
  Top Layer w0.508: TP38.TP?@62.948,110.201 v1(63.929,110.201)
  Bottom Layer w0.686: 32.392,90.907 52.772,111.287 65.158,111.287 ; 33.391,90.493 53.186,110.288 65.158,110.288 ; 34.392,90.078 53.601,109.287 65.158,109.287 ; J2.13@38.052,12.706 38.052,16.542 ; J2.14@39.052,12.706 39.052,16.542 ; J2.15@40.052,12.706 40.052,16.542
FPC_BOS1901_2_OUT+: J2.22 J2.23 J2.24 U11.1 | length 16.5
  Bottom Layer w0.686: J2.22@47.052,12.706 47.052,16.542 ; J2.23@48.052,12.706 48.052,16.542 ; J2.24@49.052,12.706 49.052,16.542 ; 68.216,56.715 70.348,58.847
  Bottom Layer w1: U11.1@66.608,71.189 66.631,71.189 68.047,69.774
FPC_BOS1901_2_OUT−: J2.19 J2.20 J2.21 U11.2 | length 59
  Bottom Layer w0.254: 46.05,57.607 48.166,59.723 51.468,59.723
  Bottom Layer w0.686: J2.19@44.052,12.706 44.052,16.542 ; 45.031,59.179 47.482,61.63 64.777,61.63 ; J2.20@45.052,12.706 45.052,16.542 ; 45.398,58.098 47.931,60.631 64.777,60.631 ; J2.21@46.052,12.706 46.052,16.542
FPC_BOS1901_3_OUT+: J2.1 J2.2 J2.3 U22.1 | length 11.5
  Bottom Layer w0.686: J2.1@26.052,12.706 26.052,16.542 ; J2.2@27.052,12.706 27.052,16.542 ; J2.3@28.052,12.706 28.052,16.542
FPC_BOS1901_3_OUT−: J2.4 J2.5 J2.6 U22.2 | length 45.9
  Bottom Layer w0.686: 20.107,95.259 30.106,105.258 30.106,117.923 27.566,120.463 ; 28.273,121.17 31.106,118.337 ; J2.4@29.052,12.706 29.052,16.542 ; J2.5@30.052,12.706 30.052,16.542 ; J2.6@31.052,12.706 31.052,16.542
FPC_BOS1901_4_OUT+: J2.7 J2.8 J2.9 U21.1 | length 15.3
  Bottom Layer w0.686: J2.7@32.052,12.706 32.052,16.542 ; J2.8@33.052,12.706 33.052,16.542 ; J2.9@34.052,12.706 34.052,16.542
  Bottom Layer w1.5: U21.1@27.008,60.789 27.008,58.59 28.143,57.455
FPC_BOS1901_4_OUT−: J2.10 J2.11 J2.12 U21.2 | length 17.4
  Bottom Layer w0.686: 26.645,71.603 26.655,71.561 ; 26.975,70.485 26.975,71.577 ; 27.229,71.603 28.527,71.603 30.979,69.15 ; J2.10@35.052,12.706 35.052,16.542 ; J2.11@36.052,12.706 36.052,16.542 ; J2.12@37.052,12.706 37.052,16.542
FPC_CH101_1_INT: J1.16 U8.1 | length 147.8
  Top Layer w0.127: v1(56.607,115.256) 57.121,114.742 57.121,93.44 60.211,90.35 60.211,60.07 64.901,55.38 64.901,55.337 64.901,15.512
  Top Layer w0.35: U8.1@16.634,126.554 v1(17.24,126.554)
  Bottom Layer w0.127: v1(17.24,126.554) 17.659,126.135 27.078,126.135 27.536,125.677 29.896,125.677 39.819,115.753 56.11,115.753 v1(56.607,115.256)
FPC_CH101_1_PROG: J1.14 U8.4 | length 153.9
  Top Layer w0.127: v1(15.113,124.954) 15.913,124.154 ; v1(58.607,115.256) 57.741,114.39 57.741,93.669 60.811,90.598 60.811,60.319 65.501,55.628 65.501,55.337 65.501,15.512
  Top Layer w0.35: 15.913,124.154 U8.4@16.634,124.154
  Bottom Layer w0.127: v1(15.113,124.954) 15.965,125.806 26.864,125.806 28.871,123.8 29.433,123.8 30.154,123.079 31.579,123.079 40.012,114.646 57.998,114.646 v1(58.607,115.256)
FPC_CH101_1_RESET: J1.15 U8.8 | length 145.9
  Top Layer w0.127: v1(57.607,115.256) 57.607,114.783 57.445,114.621 57.445,93.546 60.515,90.476 60.515,60.196 65.206,55.506 65.206,55.337 65.206,15.398
  Top Layer w0.35: U8.8@19.484,126.554 v1(20.09,126.554)
  Bottom Layer w0.127: v1(20.09,126.554) 27.243,126.554 27.754,126.043 29.936,126.043 39.971,116.008 56.855,116.008 v1(57.607,115.256)
FPC_CH101_2_INT: J1.19 U14.1 | length 136.2
  Top Layer w0.127: v1(54.608,116.553) 54.607,114.939 56.245,113.301 56.245,93.049 59.315,89.979 59.315,59.699 64.006,55.009 64.006,15.942 64.006,15.398
  Top Layer w0.35: U14.1@27.634,126.554 v1(28.24,126.554)
  Bottom Layer w0.127: v1(28.24,126.554) 29.806,126.554 39.806,116.553 v1(54.608,116.553)
FPC_CH101_2_PROG: J1.17 U14.4 | length 135.6
  Top Layer w0.127: 28.37,124.154 v1(28.802,124.586) ; v1(55.607,115.256) 56.845,114.018 56.845,93.298 59.915,90.227 59.915,59.948 64.606,55.257 64.606,15.942 64.606,15.398
  Top Layer w0.35: U14.4@27.634,124.154 28.37,124.154
  Bottom Layer w0.127: v1(28.802,124.586) 30.605,124.586 39.935,115.256 v1(55.607,115.256)
FPC_CH101_2_RESET: J1.18 U14.8 | length 134.7
  Top Layer w0.127: v1(55.607,116.553) 55.125,116.071 55.125,114.977 56.541,113.56 56.541,93.172 59.611,90.101 59.611,59.822 64.301,55.131 64.301,15.942 64.301,15.512
  Top Layer w0.35: U14.8@30.484,126.554 v1(31.09,126.554)
  Bottom Layer w0.127: v1(31.09,126.554) 31.09,125.905 39.935,117.059 55.101,117.059 v1(55.607,116.553)
FPC_CH101_3_INT: J1.27 U16.1 | length 88.7
  Top Layer w0.127: 17.241,58.121 17.799,57.563 17.799,55.401 20.14,53.061 24.145,53.061 27.114,50.092 36.509,50.092 37.994,51.577 50.957,51.577 v1(51.564,50.969) ; v1@61.246,53.051 61.606,52.692 61.606,51.68 61.606,15.398
  Top Layer w0.35: U16.1@16.634,58.121 17.241,58.121
  Bottom Layer w0.127: v1(51.564,50.969) 52.63,52.035 60.205,52.035 v1(61.246,53.077)
FPC_CH101_3_PROG: J1.29 U16.4 | length 85.7
  Top Layer w0.127: 16.634,55.373 19.911,52.095 24.423,52.095 26.778,49.74 36.511,49.74 37.755,50.983 v1(50.583,50.983) ; v1@60.306,53.051 60.306,51.973 61.006,51.273 61.006,15.398
  Top Layer w0.4: 16.634,55.373 U16.4@16.634,55.721
  Bottom Layer w0.127: v1(50.583,50.983) 51.911,52.312 59.541,52.312 v1(60.306,53.077)
FPC_CH101_3_RESET: J1.28 U16.8 | length 87
  Top Layer w0.127: 18.929,58.121 18.574,57.766 18.574,55.312 20.368,53.518 24.272,53.518 27.367,50.423 36.46,50.423 38.037,52.001 51.809,52.001 52.959,50.851 v1(52.959,50.394) ; v1(61.043,52.086) 61.043,51.685 61.301,51.426 61.301,15.512
  Top Layer w0.35: 18.929,58.121 U16.8@19.484,58.121
  Bottom Layer w0.127: v1(52.959,50.394) 54.102,50.394 55.21,51.502 60.459,51.502 v1(61.043,52.086)
FPC_CH101_4_INT: J1.30 U20.1 | length 78.5
  Top Layer w0.127: 27.387,58.121 26.473,57.207 26.473,54.251 28.367,52.356 35.709,52.356 37.433,54.081 48.715,54.081 49.464,54.829 v1(50.275,54.829) ; v1@59.366,53.026 59.366,52.587 60.251,51.702 60.701,51.252 60.701,15.942 60.701,15.512
  Top Layer w0.35: 27.387,58.121 U20.1@27.634,58.121
  Bottom Layer w0.127: v1(50.275,54.829) 50.275,54.526 52.19,52.611 58.951,52.611 v1@59.366,53.026
  other v1: 59.366,53.051